# KiCad board TRS80IJP_1.kicad_pcb (continued)
## Routing (per net, layer and track width the routed paths; a pad name or vN(x,y) marks a point on that pad's centre or on a via; arc(x,y) is an arc through that point) (continued)
/KEYBOARD & EDGE CONNECTOR/MD4: length 343.7
  Top w0.25: Z42.14 210.45,52.75 211.55,53.91 223.15,53.91 224.31,52.75 Z43.14 229.31,52.51 231.46,52.51 232.04,53.09 v1(242.22,53.09) ; v1(248.99,83.28) 249.22,83.51 255.76,83.51 258.21,81.06 260.01,81.06 260.96,82.01 v1(260.96,82.26) 260.96,82.46 262.13,83.63 271.08,83.63 271.1,83.61 271.74,83.61 272.69,84.56 287.5,84.56 288.64,83.42 293.37,83.42 295.06,85.11 313.83,85.11 315.7,83.24 324.43,83.24 331.61,90.42 342.41,90.42 343.25,89.58 349.8,89.58 350.99,88.39 353.68,88.39 353.75,88.32 353.78,88.34 359.8,88.34 v1(360.23,88.77)
  Bottom w0.25: RP2.9 360.67,104.41 360.67,89.21 v1(360.23,88.77) 359.79,88.33 359.79,82.97 361.92,80.84 361.92,42.43 362.01,42.34 369.57,37.32 369.6,36.65 369.6,7.33 366.95,4.68 ; v1(248.99,83.28) 248.99,76.71 247.16,74.88 247.16,65.93 243.01,61.78 243.01,57.65 243.56,57.1 243.56,55.27 242.19,53.9 242.19,53.12 v1(242.22,53.09) ; CN2.18 360.79,2.7 365.39,2.7 366.88,4.19 ; Z18.14 263.37,112.55 264.15,111.77 264.15,95.94 262.85,94.64 262.85,86.13 265.62,83.36 265.62,81.79 264.62,80.79 262.43,80.79 v1(260.96,82.26)
/KEYBOARD & EDGE CONNECTOR/MD5: length 357.5
  Top w0.25: 364.38,4.19 365.58,5.38 370.54,5.38 370.56,5.36 370.56,3.86 371.4,3.02 372.61,3.02 CN2.12 ; Z42.15 210.26,55.29 211.6,56.63 222.79,56.63 224.13,55.29 Z43.15 232.02,55.29 232.77,56.04 v1(242.09,56.04) ; v1(246.92,86.72) 247.12,86.52 263.3,86.52 264.67,85.15 270.71,85.15 271.66,86.1 288.47,86.1 289.68,84.89 292.61,84.89 294.33,86.61 316.89,86.61 319.28,89 319.28,90.94 323.8,95.46 323.8,106 325.13,107.33 328.28,107.33 329.42,106.19 329.43,106.2 348.96,106.2 350.29,107.53 359.93,107.53 RP2.8
  Bottom w0.25: v1(242.09,56.04) 241.86,56.27 241.86,61.88 246.13,66.15 246.13,75.36 247.71,76.94 247.71,80.95 246.62,82.04 246.62,86.42 v1(246.92,86.72) 249.48,86.72 251.37,88.61 251.37,95.79 249.1,98.06 249.1,111.8 249.85,112.55 Z17.14 ; 364.41,4.68 364.45,4.72 364.45,5.62 364.72,5.89 368.27,9.31 368.49,36.51 368.5,37.11 365.94,38.76 361.6,41.59 361.04,42.18 361.04,80.21 358.74,82.51 358.74,89.5 359.65,90.41 359.65,100.66 357.45,103.01 357.43,105.88 358.73,107.25 360.14,107.82
/KEYBOARD & EDGE CONNECTOR/MD6: length 352
  Top w0.25: v1(230.44,86.57) 231.09,85.92 239.55,85.92 v1(240.27,86.64) 240.66,87.03 245.19,87.03 246.07,87.91 247.77,87.91 248.49,87.19 263.79,87.19 265.08,85.9 270.37,85.9 271.37,86.9 288.93,86.9 290.1,85.73 292.38,85.73 294.02,87.37 316.52,87.37 318.28,89.13 318.28,91.05 323.11,95.88 323.11,106.31 325.54,108.74 341.34,108.74 342.67,110.07 349.6,110.07 351.01,108.65 356.67,108.65 v1(357.44,109.42) 357.44,111.2 358.93,112.69 RP2.6 ; Z43.16 224.25,57.83 223.1,58.98 211.4,58.98 210.25,57.83 Z42.16 ; CN2.15 365.35,2.78 362.77,2.78 361.88,3.67 361.88,4.19
  Bottom w0.25: v1(240.27,86.64) 240.27,95.63 237.64,98.26 237.64,110.9 Z16.14 ; v1(357.44,109.42) 356.56,108.54 356.56,96.65 358.82,94.39 358.82,90.6 357.88,89.66 357.88,81.96 360.18,79.66 360.18,41.68 362.57,40 365.77,37.87 365.85,37.84 367.35,36.63 367.02,10.67 362.28,5.88 361.95,5.55 361.95,4.76 361.87,4.68 ; Z43.16 231.78,60.54 231.78,85.23 v1(230.44,86.57)
/KEYBOARD & EDGE CONNECTOR/MD7: length 355.6
  Top w0.25: v1(356.39,91.35) 355.64,92.1 351.72,92.1 351.4,91.78 348.97,91.78 348.66,92.09 343.76,92.09 342.68,91.01 331.87,91.01 331.85,91.03 331.21,91.03 324.12,83.94 316.23,83.94 314.3,85.87 294.66,85.87 292.99,84.2 289.25,84.2 288.13,85.32 272.01,85.32 271.02,84.33 264.5,84.33 263.01,85.82 247.87,85.82 246.81,84.76 228.95,84.76 v1(227.93,85.78) ; 359.38,4.19 359.38,3.74 CN2.17 ; Z42.17 210.27,60.37 211.54,61.64 216.23,61.64 216.46,61.41 222.23,61.41 222.98,62.16 227.15,62.16 228.94,60.37 Z43.17 ; Z24.4 345.99,115.06 349.74,115.06 350.87,113.93 v1(356.07,113.93) 356.07,116.59 357.25,117.77 RP2.4
  Bottom w0.25: Z15.14 225.03,112.55 226.2,111.38 226.2,93.7 225.54,93.04 225.54,87.32 227.08,85.78 v1(227.93,85.78) 228.62,85.78 231.05,83.35 231.05,62.35 Z43.17 ; v1(356.07,113.93) 355.79,113.65 355.79,95.99 357.66,94.12 357.66,92.62 v1(356.39,91.35) 356.91,90.83 356.91,81.59 359.32,79.18 359.32,40.91 361.73,39.51 362.68,38.94 363.51,38.4 365.83,36.74 365.82,11.17 359.33,4.68
/MEMORY/SMA0: length 108.9
  Top w0.25: R104.2 215.25,107.47 Z15.5 218.91,107.47 220.25,106.13 226.56,106.13 227.9,107.47 Z16.5 234.25,107.47 235.51,106.21 240.95,106.21 242.21,107.47 Z17.5 245.56,107.47 246.9,106.13 252.03,106.13 253.37,107.47 Z18.5 256.99,107.47 258.3,106.16 265.01,106.16 266.32,107.47 Z19.5 272.43,107.47 273.67,106.23 279.78,106.23 281.02,107.47 Z20.5 286.28,107.47 287.6,106.15 293.8,106.15 295.12,107.47 300.94,107.47 302.21,106.2 308.84,106.2 310.11,107.42 310.17,107.47 Z22.5
/MEMORY/SMA1: length 108
  Top w0.25: Z22.7 310.75,102.39 309.36,101 301.78,101 300.39,102.39 296.09,102.39 294.76,101.06 287.19,101.06 285.86,102.39 Z20.7 281.78,102.39 280.51,101.12 273.53,101.12 272.26,102.39 Z19.7 266.85,102.39 265.6,101.14 257.85,101.14 256.6,102.39 Z18.7 253.18,101.07 246.71,101.07 245.39,102.39 Z17.7 242.36,102.39 240.98,101.01 235.07,101.01 233.69,102.39 Z16.7 228.02,102.39 226.61,100.98 219.69,100.98 218.28,102.39 Z15.7 216.58,102.4 R107.2
/MEMORY/SMA2: length 111.7
  Top w0.25: Z22.6 310.54,104.93 310.49,104.92 309.04,103.55 302.23,103.55 300.85,104.93 295.53,104.93 294.19,103.59 287.51,103.59 286.17,104.93 Z20.6 281.28,104.93 280.05,103.7 273.7,103.7 272.47,104.93 Z19.6 266.81,104.93 266.71,104.9 265.41,103.63 258.18,103.63 256.88,104.93 Z18.6 253.67,104.93 252.29,103.55 246.82,103.55 245.44,104.93 Z17.6 240.37,103.7 235.15,103.68 233.9,104.93 Z16.6 228.26,104.93 226.9,103.57 220.11,103.57 218.75,104.93 Z15.6
  Bottom w0.25: R108.2 214.01,99.82 214.75,100.56 214.75,103.88 215.8,104.93 Z15.6
/MEMORY/SMA3: length 117.6
  Top w0.25: R103.2 214.3,110.69 215.22,108.85 218.69,108.85 220.07,107.47 Z15.12 226.72,107.47 227.88,108.63 234.68,108.63 235.84,107.47 Z16.12 241.01,107.47 242.23,108.69 245.77,108.69 246.99,107.47 Z17.12 252.29,107.47 253.5,108.68 257.21,108.68 258.42,107.47 Z18.12 265.2,107.47 266.46,108.73 272.43,108.73 273.7,107.46 273.71,107.47 Z19.12 279.98,107.47 281.2,108.69 286.55,108.69 287.77,107.47 Z20.12 293.96,107.47 295.17,108.68 301.16,108.68 302.37,107.47 308.96,107.47 310.22,108.73 319.38,108.73 Z22.12
/MEMORY/SMA4: length 116
  Top w0.25: Z22.11 319.41,106.16 310.22,106.16 308.99,104.93 302.08,104.93 300.77,106.24 295.42,106.24 294.11,104.93 Z20.11 287.65,104.93 287.61,104.94 286.35,106.09 281.04,106.09 279.88,104.93 Z19.11 273.82,104.93 272.63,106.12 266.44,106.12 265.25,104.93 Z18.11 258.18,104.93 256.99,106.12 253.5,106.12 252.31,104.93 Z17.11 246.77,104.93 245.58,106.12 242.12,106.12 240.93,104.93 Z16.11 235.27,104.93 234.07,106.13 228.08,106.13 226.88,104.93 Z15.11 220.12,104.93 218.8,106.2 215.09,106.2 213.84,107.45 R105.2
/MEMORY/SMA5: length 116
  Top w0.25: Z22.10 319.42,103.61 310.44,103.61 309.22,102.39 301.99,102.39 301.98,102.38 300.73,103.63 295.88,103.63 294.64,102.39 Z20.10 287.33,102.39 286.04,103.68 281.57,103.68 280.28,102.39 Z19.10 273.84,102.39 273.8,102.4 272.52,103.63 266.56,103.63 265.32,102.39 Z18.10 258.16,102.39 258.17,102.4 256.86,103.57 253.58,103.57 252.4,102.39 Z17.10 246.77,102.39 246.71,102.41 245.38,103.6 242.07,103.6 240.86,102.39 Z16.10 235.06,102.39 233.86,103.59 228.14,103.59 226.95,102.4 226.23,102.4 226.22,102.39 Z15.10 219.94,102.39 218.75,103.58 213.97,103.58 R106.2
/MEMORY/SMA6: length 117.5
  Top w0.25: Z22.13 315.39,110.01 314.14,111.26 310.12,111.26 308.87,110.01 302.29,110.01 301.13,111.17 294.9,111.17 293.74,110.01 Z20.13 288.31,110.01 287.08,111.24 281.28,111.24 280.05,110.01 Z19.13 273.66,110.01 272.45,111.22 266.17,111.22 264.96,110.01 Z18.13 258.38,110.01 257.17,111.22 253.51,111.22 252.3,110.01 Z17.13 246.93,110.01 246.9,109.98 245.69,111.19 242.11,111.19 240.93,110.01 Z16.13 236.11,110.01 236.06,109.96 234.77,111.25 227.89,111.25 226.65,110.01 Z15.13 220.18,110.01 218.91,111.28 215.35,111.28 214.71,112.38 214.21,113.38 R102.2
/RAM/BIT0: length 36.6
  Top w0.25: v1(142.97,110.58) 143.05,110.5 146.07,110.5 146.84,111.27 149.15,111.27 150.43,112.55 Z11.14 ; Z12.8 158.76,99.85 v1(158.71,99.8)
  Bottom w0.25: v1(142.97,110.58) 142.92,110.53 142.92,109.04 141.35,107.47 Z10.14 ; Z11.14 157.74,110.12 157.84,100.7 157.87,100.6 157.96,100.5 v1(158.71,99.8)
/RAM/BIT1: length 43.2
  Top w0.25: v1(142.8,97.27) 158.11,97.27 v1(158.15,97.31) Z12.9
  Bottom w0.25: Z11.13 156.94,108.38 156.96,108.38 156.96,98.28 157.93,97.31 v1(158.15,97.31) ; Z10.13 141.96,103.14 141.96,97.8 142.49,97.27 v1(142.8,97.27)
/RAM/BIT2: length 38.8
  Top w0.25: v1(137.71,112.38) 137.71,112.29 138.79,111.21 141.3,111.21 142.68,112.59 142.72,112.55 Z11.3 148.83,112.55 150.03,113.75 158.27,113.75 158.64,113.38 161.36,113.38 163.02,115.04 Z12.2
  Bottom w0.25: v1(137.71,112.38) 137.71,104.85 Z10.12
/RAM/BIT3: length 32.8
  Top w0.25: Z11.6 143.64,104.93 v1(143.54,104.83) ; Z12.3 159.22,112.55 157.81,111.14 151.12,111.14 v1(151.08,111.17) ; Z10.11 143.49,99.85 v1(143.55,99.79)
  Bottom w0.25: Z11.6 149.55,106.79 149.55,109.64 v1(151.08,111.17) ; v1(143.54,104.83) 143.54,99.8 v1(143.55,99.79)
/RAM/BIT4: length 40.2
  Top w0.25: Z9.14 128.94,107.47 128.95,107.46 130.24,108.75 146.43,108.75 Z11.4 151.24,110.01 152.59,108.66 161.67,108.66 Z12.4
/RAM/BIT5: length 40.4
  Top w0.25: Z12.5 160.48,104.93 Z11.11 151.8,104.93 151.71,104.84 150.5,106.06 145.06,106.06 145.05,106.05 144.6,106.5 142.71,106.5 142.37,106.16 130.32,106.16 129.09,104.93 Z9.13
/VIDEO/CA0: length 116.6
  Top w0.25: v1(159.36,115.08) 159.35,115.09 Z11.15 ; v1(158.61,49.11) 153.59,49.11 152.37,50.33 Z39.6 146.62,50.33 145.18,48.89 137.35,48.89 136,50.24 Z38.7 131.18,50.24 129.87,48.93 123.6,48.93 122.29,50.24 Z37.7
  Bottom w0.25: v1(158.61,49.11) 158.79,50.39 158.88,50.67 160.5,53.74 160.68,68.07 160.68,69.08 162.71,71.11 162.71,91.4 160.73,93.38 160.73,110.95 159.36,112.32 v1(159.36,115.08)
/VIDEO/CA1: length 111.7
  Top w0.25: Z11.12 159.05,107.47 v1(159.33,107.19) ; Z39.10 154.04,46.38 145.33,46.38 145.32,46.36 145.1,46.58 v1(144.98,46.58) ; v1(145.05,51.4) 137.59,51.4 136.21,52.78 Z38.6 131.2,52.78 130,51.58 123.48,51.58 122.28,52.78 Z37.6
  Bottom w0.25: v1(145.05,51.4) 145.05,46.65 v1(144.98,46.58) ; Z39.10 157.18,49.9 157.83,51.1 159.64,54.02 159.63,69.32 161.45,71.14 161.45,90.59 159.9,92.14 159.9,92.93 159.91,92.94 159.91,102.05 159.33,102.63 v1(159.33,107.19)
/VIDEO/CA2: length 107.6
  Top w0.25: v1(151.57,52.66) 151.36,52.87 Z39.5 144.3,52.87 143.14,54.03 137.34,54.03 136.05,55.32 Z38.5 131.19,55.32 130,54.13 123.44,54.13 122.7,54.87 118.06,54.87 117.61,55.32 Z37.5
  Bottom w0.25: v1(151.57,52.66) 152.75,53.84 152.75,56.13 151.33,57.55 151.33,63.73 155.05,67.45 155.05,76.34 151.03,80.11 151.42,105.65 152.64,106.87 152.64,113.57 151.12,115.09 Z11.2
/VIDEO/CA3: length 104.4
  Top w0.25: Z39.11 154.56,50.33 153.75,51.14 153.75,52.56 152.2,54.11 144.64,54.11 142.08,56.67 137.3,56.67 136.11,57.86 Z38.4 131.1,57.86 129.69,56.45 123.38,56.45 121.48,58.34 118.44,58.34 117.96,57.86 Z37.4
  Bottom w0.25: Z39.11 150.74,51.04 149.5,52.23 149.5,64.35 153.51,68.36 153.51,75.24 149.35,79.33 149.65,100.43 Z11.7
/VIDEO/CA4: length 95.8
  Top w0.25: v1(150.98,55.44) 150.95,55.41 Z39.4 145.91,55.41 142.23,59.09 137.34,59.09 136,60.43 135.97,60.4 Z38.3 131.07,60.4 129.88,59.21 123.52,59.21 122.26,60.47 122.19,60.4 Z37.3 ; Z11.5 v1(151.1,107.47)
  Bottom w0.25: v1(151.1,107.47) 150.68,107.05 150.68,107.04 150.17,79.8 154.28,75.65 154.28,67.71 150.49,63.92 150.49,55.93 v1(150.98,55.44)
/VIDEO/CA5: length 98.5
  Top w0.25: Z37.2 122.49,62.94 123.79,61.64 127.23,61.64 127.45,61.42 129.52,61.42 131.04,62.94 Z38.2 136.43,62.94 137.85,61.53 142.36,61.53 144.81,59.08 152.31,59.08 v1(152.86,58.53)
  Bottom w0.25: Z11.10 152.98,100.06 153.05,82.66 157.22,78.28 157.17,78.15 157.18,74.27 157.4,59.92 157.4,59.07 157.37,58.22 157.34,57.46 157.31,54.71 156.38,52.87 Z39.12 153.62,54.6 153.65,57.29 v1(152.86,58.53)
/VIDEO/CD0: length 45.3
  Top w0.25: Z38.12 137.34,50.24 136.07,51.51 132.4,51.51 132.39,51.52 131.16,51.52 129.87,50.23 129.86,50.24 Z37.12 ; v1(137.62,27.4) 137.59,27.43 Z57.4
  Bottom w0.25: Z38.12 138.6,48.5 138.6,28.38 v1(137.62,27.4)
/VIDEO/CD1: length 52.6
  Top w0.25: v1(137.69,24.27) 137.49,24.07 133.52,24.07 133.52,24.08 Z57.5 ; Z38.13 137.73,52.78 137.63,52.68 136.27,54.04 131.33,54.04 130.07,52.78 Z37.13
  Bottom w0.25: Z38.13 137.71,50.15 137.71,30 136.29,28.58 136.29,25.67 v1(137.69,24.27)
/VIDEO/CD2: length 55.7
  Top w0.25: Z37.14 129.94,55.32 131.16,56.54 136.05,56.54 137.34,55.25 137.41,55.32 Z38.14
  Bottom w0.25: Z57.10 135.68,24.46 135.68,29.16 136.89,30.37 136.89,51.87 Z38.14
/VIDEO/CD3: length 59.8
  Top w0.25: v1(135.17,22.24) 135.28,22.35 Z57.11 ; Z38.15 137.29,57.86 136.04,59.11 130.93,59.11 129.64,57.82 129.6,57.86 Z37.15
  Bottom w0.25: Z38.15 135.89,53.41 135.89,30.54 134.6,29.25 134.6,22.81 v1(135.17,22.24)
/VIDEO/CD4: length 53.5
  Top w0.25: Z38.16 137.69,60.4 137.54,60.25 136.16,61.63 131.09,61.63 129.86,60.4 Z37.16
  Bottom w0.25: Z57.12 142.15,26.71 142.15,58.59 Z38.16
A10: length 606.6
  Top w0.25: v1(368.94,65.83) 368.47,65.36 356.34,65.36 356.32,65.38 356.26,65.38 353.81,62.94 Z49.18 ; 332.47,178.85 332.47,173.79 330.93,172.25 v1(330.93,168.7) ; v1(151.88,4.66) 151.88,3.57 153.51,1.94 204.33,1.92 214.73,6.45 v1(215.57,6.95) 215.82,6.7 215.82,6.48 218.39,3.91 296.27,3.91 297.72,2.46 309.52,2.46 315.38,8.32 327.33,8.32 329.12,6.53 374.42,6.53 376.51,8.62 v1(376.51,9.06) ; v1(358.94,128.03) 358.02,128.03 356.28,126.29 351.35,126.29 350.19,127.45 343.98,127.45 343.58,127.85 333.85,127.85 v1(333.81,127.81) ; v1(213.31,32.4) 213.36,32.45 Z61.14 ; v1(203.7,66.33) 204.54,65.49 208.85,65.49 Z42.19 210.15,65.45 211.5,66.8 215.68,66.8 v1(216.35,67.47) 217.18,66.64 221.05,66.64 221.5,67.09 227.43,67.09 Z43.19
  Bottom w0.25: v1(333.81,127.81) 334.2,128.2 334.2,150.74 330.44,154.5 330.44,164.36 330.93,164.85 v1(330.93,168.7) ; Z14.13 200.39,108.32 200.39,90.3 205.65,85.04 205.65,70.95 203.68,68.98 203.68,66.35 v1(203.7,66.33) ; v1(216.35,67.47) 215.72,66.84 215.72,41.63 214.04,39.95 214.04,33.13 v1(213.31,32.4) 214.01,31.7 214.01,9.43 215.59,7.85 215.59,6.97 v1(215.57,6.95) ; v1(358.94,128.03) 358.96,128.05 361.79,128.05 371.3,118.54 371.3,102.02 374.19,99.13 374.15,85.87 369.49,81.33 369.49,77.92 370.31,77.1 370.31,67.18 368.96,65.83 v1(368.94,65.83) 368.94,49.31 368.95,49.3 378.01,42.28 377.91,39.59 376.51,38.19 v1(376.51,9.06)
A11: length 631.8
  Top w0.25: v1(149.41,4.55) 150.92,1.21 204.37,1.21 209.2,2.73 211.4,3.43 214.83,4.34 v1(215.61,4.55) 217.02,3.14 217.66,3.14 217.67,3.15 295.87,3.15 297.5,1.52 326.19,1.52 330.63,5.96 374.76,5.94 377.35,8.6 v1(379.01,10.24) ; Z43.18 227.77,64.21 v1(217.1,64.21) 211.76,64.21 210.46,62.91 Z42.18 201.73,62.91 201.68,62.86 200.22,64.33 191.17,64.33 v1(191.07,64.42) ; v1(374.15,61.99) 372.63,60.47 356.06,60.47 354.94,61.59 352.16,61.59 350.89,62.86 346.02,62.86 Z49.3 ; v1(338.58,149.59) 349.05,149.59 350.18,150.72 355.75,150.72 357.26,149.21 359.31,149.21 v1(359.33,149.23)
  Bottom w0.25: v1(359.33,149.23) 358.24,148.14 358.35,137.48 362.97,132.16 363.83,131.18 364.83,130.09 374.73,119.24 374.73,106.92 374.74,103.54 374.98,103.33 377.55,101.43 377.55,101.36 377.57,101.34 377.57,83.05 377.38,82.82 376.78,81.74 376,79.93 375.74,64.6 v1(374.15,61.99) 377.38,58.76 377.38,52.63 379.14,50.87 379.14,39.33 377.76,37.95 377.76,11.53 379.21,10.08 v1(379.01,10.24) ; v1(215.61,4.55) 217.09,6.03 217.09,8.98 215.92,10.15 215.92,17.91 214.93,18.9 214.89,18.9 214.89,28.49 215.31,28.91 215.41,28.91 Z61.13 215.09,31.23 215.09,36.97 215.01,37.05 215.01,39 217.1,41.09 v1(217.1,64.21) ; 340.09,178.85 340.09,173.07 339.69,172.67 339.69,170.84 340.88,169.65 340.88,157.61 339.31,156.04 339.31,150.32 v1(338.58,149.59) ; v1(191.07,64.42) 191.07,79.65 189.06,81.66 186.95,81.66 185.17,83.44 182.75,83.44 179.9,86.29 179.9,111.06 178.41,112.55 Z13.3
A12: length 540.1
  Top w0.25: Z49.5 350.8,57.86 352.16,56.49 v1(371.33,56.49) ; v1(356.43,155.89) 356.18,155.64 345.86,155.64 345.15,156.35 v1(334.6,156.35) ; v1(189.83,70.66) 190.87,71.7 195.27,71.7 196.44,70.53 Z42.21 210.18,70.53 211.31,71.66 220.65,71.66 220.99,72 227.6,72 Z43.21 234.19,70.53 v1(234.22,70.5) ; v1(303.56,50) 304.12,49.44 305.69,49.44 306.54,48.59 310.36,48.59 311.92,50.15 324.74,50.15 332.47,42.42 332.56,42.51 336.16,42.51 338.44,40.22 349.95,40.22 v1(350.33,39.84)
  Bottom w0.25: 335.01,178.85 335.36,178.49 335.36,170.85 334.7,170.19 334.7,167.28 335.86,166.12 335.86,157.4 334.81,156.35 v1(334.6,156.35) ; v1(189.83,70.66) 188.12,72.37 188.12,79.31 187.19,80.24 185.58,80.24 183.99,81.83 181.29,81.83 177.03,86.09 177.03,97.07 175.36,98.74 175.36,103.22 Z13.6 ; Z61.2 207.28,36.5 207.28,68.92 Z42.21 ; Z49.5 346.83,57.86 350.7,53.98 350.7,40.21 v1(350.33,39.84) ; v1(371.33,56.49) 370.47,57.35 370.47,63.06 371.03,63.62 371.03,77.56 370.48,78.11 370.51,80.92 375,85.37 375.05,99.93 372.12,102.29 372.16,116.68 372.17,116.69 372.2,118.58 355.87,135.94 355.77,136.04 355.77,155.23 v1(356.43,155.89) ; v1(303.56,50) 303.42,49.86 303.42,46.48 303.72,46.18 303.72,27.02 304.45,26.29 304.45,22.53 302.65,20.73 300.53,20.73 291.91,10.86 245.51,10.88 242.74,13.59 242.74,28.21 243.52,28.99 243.52,32.98 242.88,33.62 242.88,40.65 242.78,40.75 242.19,41.25 234.05,48.01 234.09,70.37 v1(234.22,70.5)
A13: length 586.6
  Top w0.25: v1(333.55,171.84) 333.55,172.23 334.86,173.54 334.86,178.7 335.01,178.85 ; v1(304.85,47.65) 325.23,47.65 332.62,40.26 336.97,40.26 338.02,39.2 348.44,39.2 v1(348.61,39.03) ; v1(398.12,51.33) 398.04,51.41 380.25,51.41 379.86,51.02 356.24,51.02 355.78,51.48 352.35,51.48 351.06,52.78 Z49.7 ; v1(241.77,31.32) 235.72,31.32 235.22,30.82 233,30.82 232.66,31.16 221.67,31.16 220.41,32.42 219.01,32.42 217.76,33.67 214.36,33.67 214.12,33.91 211.97,33.91 210.36,32.3 208.94,32.3 Z61.3 ; v1(235.43,87.69) 234.6,86.86 232.29,86.86 231.14,88.01 229.79,88.01 228.9,87.12 225.29,87.12 224.3,86.13 195.48,86.13 193.53,88.08 185.16,88.08 v1(184.36,87.28) ; v1(380.57,157.37) 380.47,157.27 335.96,157.27 335.4,157.83 332.78,157.83 v1(332.05,157.1)
  Bottom w0.25: Z13.10 182.95,100.63 182.88,96.98 183.11,88.38 v1(184.36,87.28) ; v1(235.43,87.69) 232.95,85.21 233,47.49 241.87,40.27 v1(241.77,31.32) 241.76,31.31 241.76,12.76 244.57,9.95 292.17,9.95 292.93,10.78 300.68,19.76 303.07,19.81 305.4,22.14 305.4,26.62 304.85,27.17 v1(304.85,47.65) ; v1(333.55,171.84) 333.55,167.12 334.32,166.35 334.32,159.37 v1(332.05,157.1) ; v1(398.12,51.33) 398.89,52.1 398.89,71.98 394.04,76.78 390.12,78.46 388.32,79.46 388.32,142.03 382.98,145.43 380.57,146.86 v1(380.57,157.37) ; Z49.7 347.08,52.78 348.73,51.12 348.73,39.15 v1(348.61,39.03)
A14: length 354.2
  Top w0.25: v1(373.02,79.86) 372.48,79.32 350.55,79.32 350.17,79.7 347.71,79.7 347.41,79.4 341.29,79.4 339.39,81.3 326.72,81.3 318.97,73.55 288.51,73.55 284.48,77.58 279.8,77.58 278.81,76.59 268.28,76.59 v1(266.07,74.38) ; Z49.12 355.18,49.31 376.49,49.31 v1(376.5,49.3) ; v1(258.47,59.14) 259.81,60.49 262.26,60.49 ; 340.09,178.85 340.09,173.5 339.09,172.5 339.09,168.98 v1(339.41,168.66) ; v1(335.75,149.39) 337.59,151.23 339.46,151.23 340.13,150.56 348.96,150.56 350.09,151.69 v1(358.43,151.69)
  Bottom w0.25: v1(258.47,59.14) 258.81,58.8 258.81,51.61 257.09,49.89 257.09,40.21 Z64.1 ; v1(358.43,151.69) 357.39,150.65 357.4,137.13 363.68,130.13 364.52,129.15 371.6,121.43 373.86,119.11 373.9,118.92 373.92,118.73 373.92,102.99 373.91,102.99 375.69,101.7 376.76,100.92 376.75,100.83 376.76,100.82 376.76,83.6 v1(373.02,79.86) 372.94,79.78 372.94,63.32 372.57,62.95 372.57,60.93 372.6,60.9 376.41,58.03 v1(376.5,49.3) ; 262.21,60.48 Z44.13 261.58,63.02 260.09,64.5 260.09,66.47 266.12,72.5 266.12,74.33 v1(266.07,74.38) ; v1(339.41,168.66) 340.09,167.98 340.09,157.9 336.62,154.43 336.62,150.26 v1(335.75,149.39)
A15: length 343.7
  Top w0.25: v1(257.7,27.35) 257.68,27.37 254.46,27.37 ; v1(303.56,58.06) 305.06,56.56 310.01,56.56 310.3,56.85 315.1,56.85 316.78,55.17 316.81,55.21 320.52,55.21 321.81,53.91 328.34,53.91 329.53,52.72 334.92,52.72 334.99,52.65 341.07,52.65 343.28,49.77 343.69,49.11 343.99,48.72 344.62,47.85 344.84,47.63 345.88,47.63 Z49.9 350.8,47.7 352.17,46.32 355.1,46.32 356.32,47.54 v1(373.99,47.54) ; v1(358.56,154.74) 358.56,154.68 357.86,153.98 349.93,153.98 348.51,152.56 341.3,152.56 340.39,153.47 v1(334.58,153.47) ; v1(258.64,64) 258.96,64.32 264.45,64.32 265,64.87 267.32,64.87 267.95,64.24 279.45,64.24 280.11,63.58 282.45,63.58 283.15,64.28 295.02,64.28 295.49,63.81 298.01,63.81 298.44,64.24 303.13,64.24 v1(303.23,64.14)
  Bottom w0.25: v1(303.56,58.06) 303.23,58.39 v1(303.23,64.14) ; 337.55,178.85 337.55,171.75 335.79,169.99 335.79,167.83 337.24,166.38 337.24,156.13 v1(334.58,153.47) ; v1(373.99,47.54) 374.21,58.19 371.71,60.33 371.71,63.23 372.03,63.55 372.05,64.46 372.01,77.48 372.03,77.59 372.03,77.7 371.51,78.22 371.51,80.52 375.93,84.94 375.93,100.48 373.79,102.08 373.14,102.59 373.14,105.37 373.15,106.46 373.05,118.64 372.16,119.69 356.56,136.63 356.56,152.74 v1(358.56,154.74) ; v1(257.7,27.35) 257.76,27.41 257.76,34.09 256.81,35.04 256.81,38.11 258.6,39.9 258.6,49.64 258.57,49.67 258.57,49.75 259.72,50.9 259.72,57.47 260.29,58.04 260.29,62.35 v1(258.64,64)
BIT6: length 122.8
  Top w0.25: Z9.12 129.04,102.39 130.27,103.62 161.71,103.62 Z12.6
  Bottom w0.25: Z9.12 123.26,100.64 123.26,82.11 121.66,80.51 121.66,66.23 122.1,65.79 122.1,58.53 122.55,58.08 122.55,52.32 121.88,51.65 121.88,36.36 122.25,35.99 122.25,29.95 120.78,28.48 120.78,26.65 121.53,25.9 123.23,25.9 124.76,27.43 Z56.13
BIT7: length 122.5
  Top w0.25: Z56.4 122.37,27.43 v1(122.44,27.36) ; Z12.7 158.65,102.39 158.63,102.41 157.27,101.05 145.64,101.05 144.9,101.79 143.24,101.79 142.56,101.11 131.37,101.11 129.56,98.13 127.65,98.13 Z9.11
  Bottom w0.25: Z9.11 126.82,98.04 126.82,84.34 122.5,80.02 122.5,66.72 123.35,65.87 123.35,51.93 122.7,51.28 122.7,37.03 123.1,36.63 123.1,28.02 v1(122.44,27.36)
BLANK: length 78.8
  Top w0.25: Z54.1 90.65,35.05 v1(90.73,34.97)
  Bottom w0.25: Z56.5 119.03,23.24 119.03,14.21 110.02,5.2 93.35,5.2 88.35,10.2 88.35,25.59 90.42,27.66 90.42,34.66 v1(90.73,34.97)
C1: length 84
  Top w0.25: v1(72.24,68.74) 73.01,67.97 93.03,67.97 94.05,68.99 101.27,68.99 102.06,68.2 107.87,68.2 111.1,71.43 115.83,71.43 v1(115.92,71.34) ; v1(113.76,47.71) 113.68,47.79 Z36.10
  Bottom w0.25: v1(115.92,71.34) 115.5,70.92 115.5,62.2 115.83,61.87 115.83,49.78 v1(113.76,47.71) ; Z27.7 72,74 72,68.98 v1(72.24,68.74)
C2: length 73.3
  Top w0.25: v1(95.93,81.59) 95.47,82.05 90.32,82.05 87.92,84.45 84.24,84.45 83.26,83.47 79.88,83.47 79.85,83.5 78.34,83.5 78.07,83.24 Z27.13 ; v1(81.04,56.1) 81.48,56.54 94.68,56.54 95.42,57.28 95.42,59.05 v1(95.46,59.09) 96.6,57.95 Z36.3
  Bottom w0.25: v1(81.04,56.1) 79.9,54.96 79.9,52.16 Z34.9 ; v1(95.46,59.09) 95.46,64.27 93.56,66.17 93.56,69.97 95.71,72.12 95.71,81.37 v1(95.93,81.59)
C4: length 98.4
  Top w0.25: v1(97.21,90.81) 97.21,88.44 96.25,87.48 95.28,87.48 94.97,87.17 83.71,87.17 82.34,85.8 80.51,85.81 Z27.14 ; Z36.13 103.24,55.41 101.84,54.01 v1(97.63,54.01) 89.56,54.01 87.1,51.55 v1(81.18,51.55)
  Bottom w0.25: v1(97.63,54.01) 98.05,54.43 98.05,61.7 97.45,62.3 97.45,79.86 98.01,80.42 98.01,87.87 97.21,88.67 v1(97.21,90.81) 97.08,90.95 Z28.14 ; Z34.8 81.18,50.9 v1(81.18,51.55)
C8: length 299.9
  Top w0.25: v1(178.73,58.69) 176.32,58.69 173.49,61.53 168.5,61.53 168.43,61.6 168.43,61.66 165.99,64.1 159.17,64.1 158.9,64.37 153.76,64.37 152.98,65.15 151.89,65.15 151.86,65.12 142.69,65.12 140.96,66.85 139.08,66.85 138.23,66 134.95,66 134.18,66.77 131.44,66.77 130.72,66.05 v1(128.23,66.05) ; v1(274.13,57.41) 272.88,57.41 272,56.53 267.64,56.53 265.13,54.02 265.12,54.02 265.11,54.03 260.7,54.03 258.23,51.56 252.18,51.56 251.23,52.51 v1(251.23,52.94) ; v1(125.56,72.15) 122.91,72.15 120.81,70.05 120.72,70.05 117.16,70.03 116.96,70.03 113.53,68.17 113.47,68.17 113.41,68.23 109.4,68.23 108.37,67.2 95.96,67.2 v1(95.61,67.55) ; v1(249.71,42.6) 248.1,42.6 246.53,41.03 240.84,41.03 239.81,42.06 224.58,42.06 224.05,41.53 200.84,41.53 198.77,43.6 182.29,43.6 v1(181.9,43.21) ; v1(95.22,89.55) 90.9,89.55 89.51,90.95 Z28.1 ; Z46.1 283.93,65.57 282.71,66.78 276.33,66.78 275.53,65.98 v1(273.92,65.98) ; v1(97.73,50.32) 97.74,50.33 Z36.6
  Bottom w0.25: v1(97.73,50.32) 97.73,51.64 95.97,53.4 95.97,55.21 97.12,56.36 97.12,60.93 96.48,61.57 96.48,66.68 v1(95.61,67.55) 96.57,68.51 96.57,69.39 96.54,69.42 96.54,79.88 97.22,80.56 97.22,87.55 v1(95.22,89.55) 95.22,87.94 Z28.12 ; v1(125.56,72.15) 128.18,69.96 v1(128.23,66.05) ; v1(178.73,58.69) 178.73,53.09 180.38,51.44 180.38,44.73 v1(181.9,43.21) ; v1(273.92,65.98) 273.81,65.87 273.81,59.44 274.13,59.12 v1(274.13,57.41) ; v1(249.71,42.6) 249.71,43.75 249.36,44.69 249.08,51.41 250.61,52.94 v1(251.23,52.94)
C16: length 162.3
  Top w0.25: Z29.10 104.89,75.71 104.74,75.55 103.27,77.02 94.38,77.02 93.15,78.25 89.33,78.25 88.14,79.43 83.95,79.43 83.13,78.61 80.5,78.61 79.57,79.54 73.82,79.54 71.36,82 64.76,82 v1(64.74,81.98) ; v1(65.9,33.67) 36.23,33.67 34.98,33.13 32.5,32.16 Z51.13